# KiCad board LI-ION_Charger.kicad_pcb
title: LI-ION charger; date: 2021-06-16; rev: V1.1.1.; company: SOLDERED; note: 333013
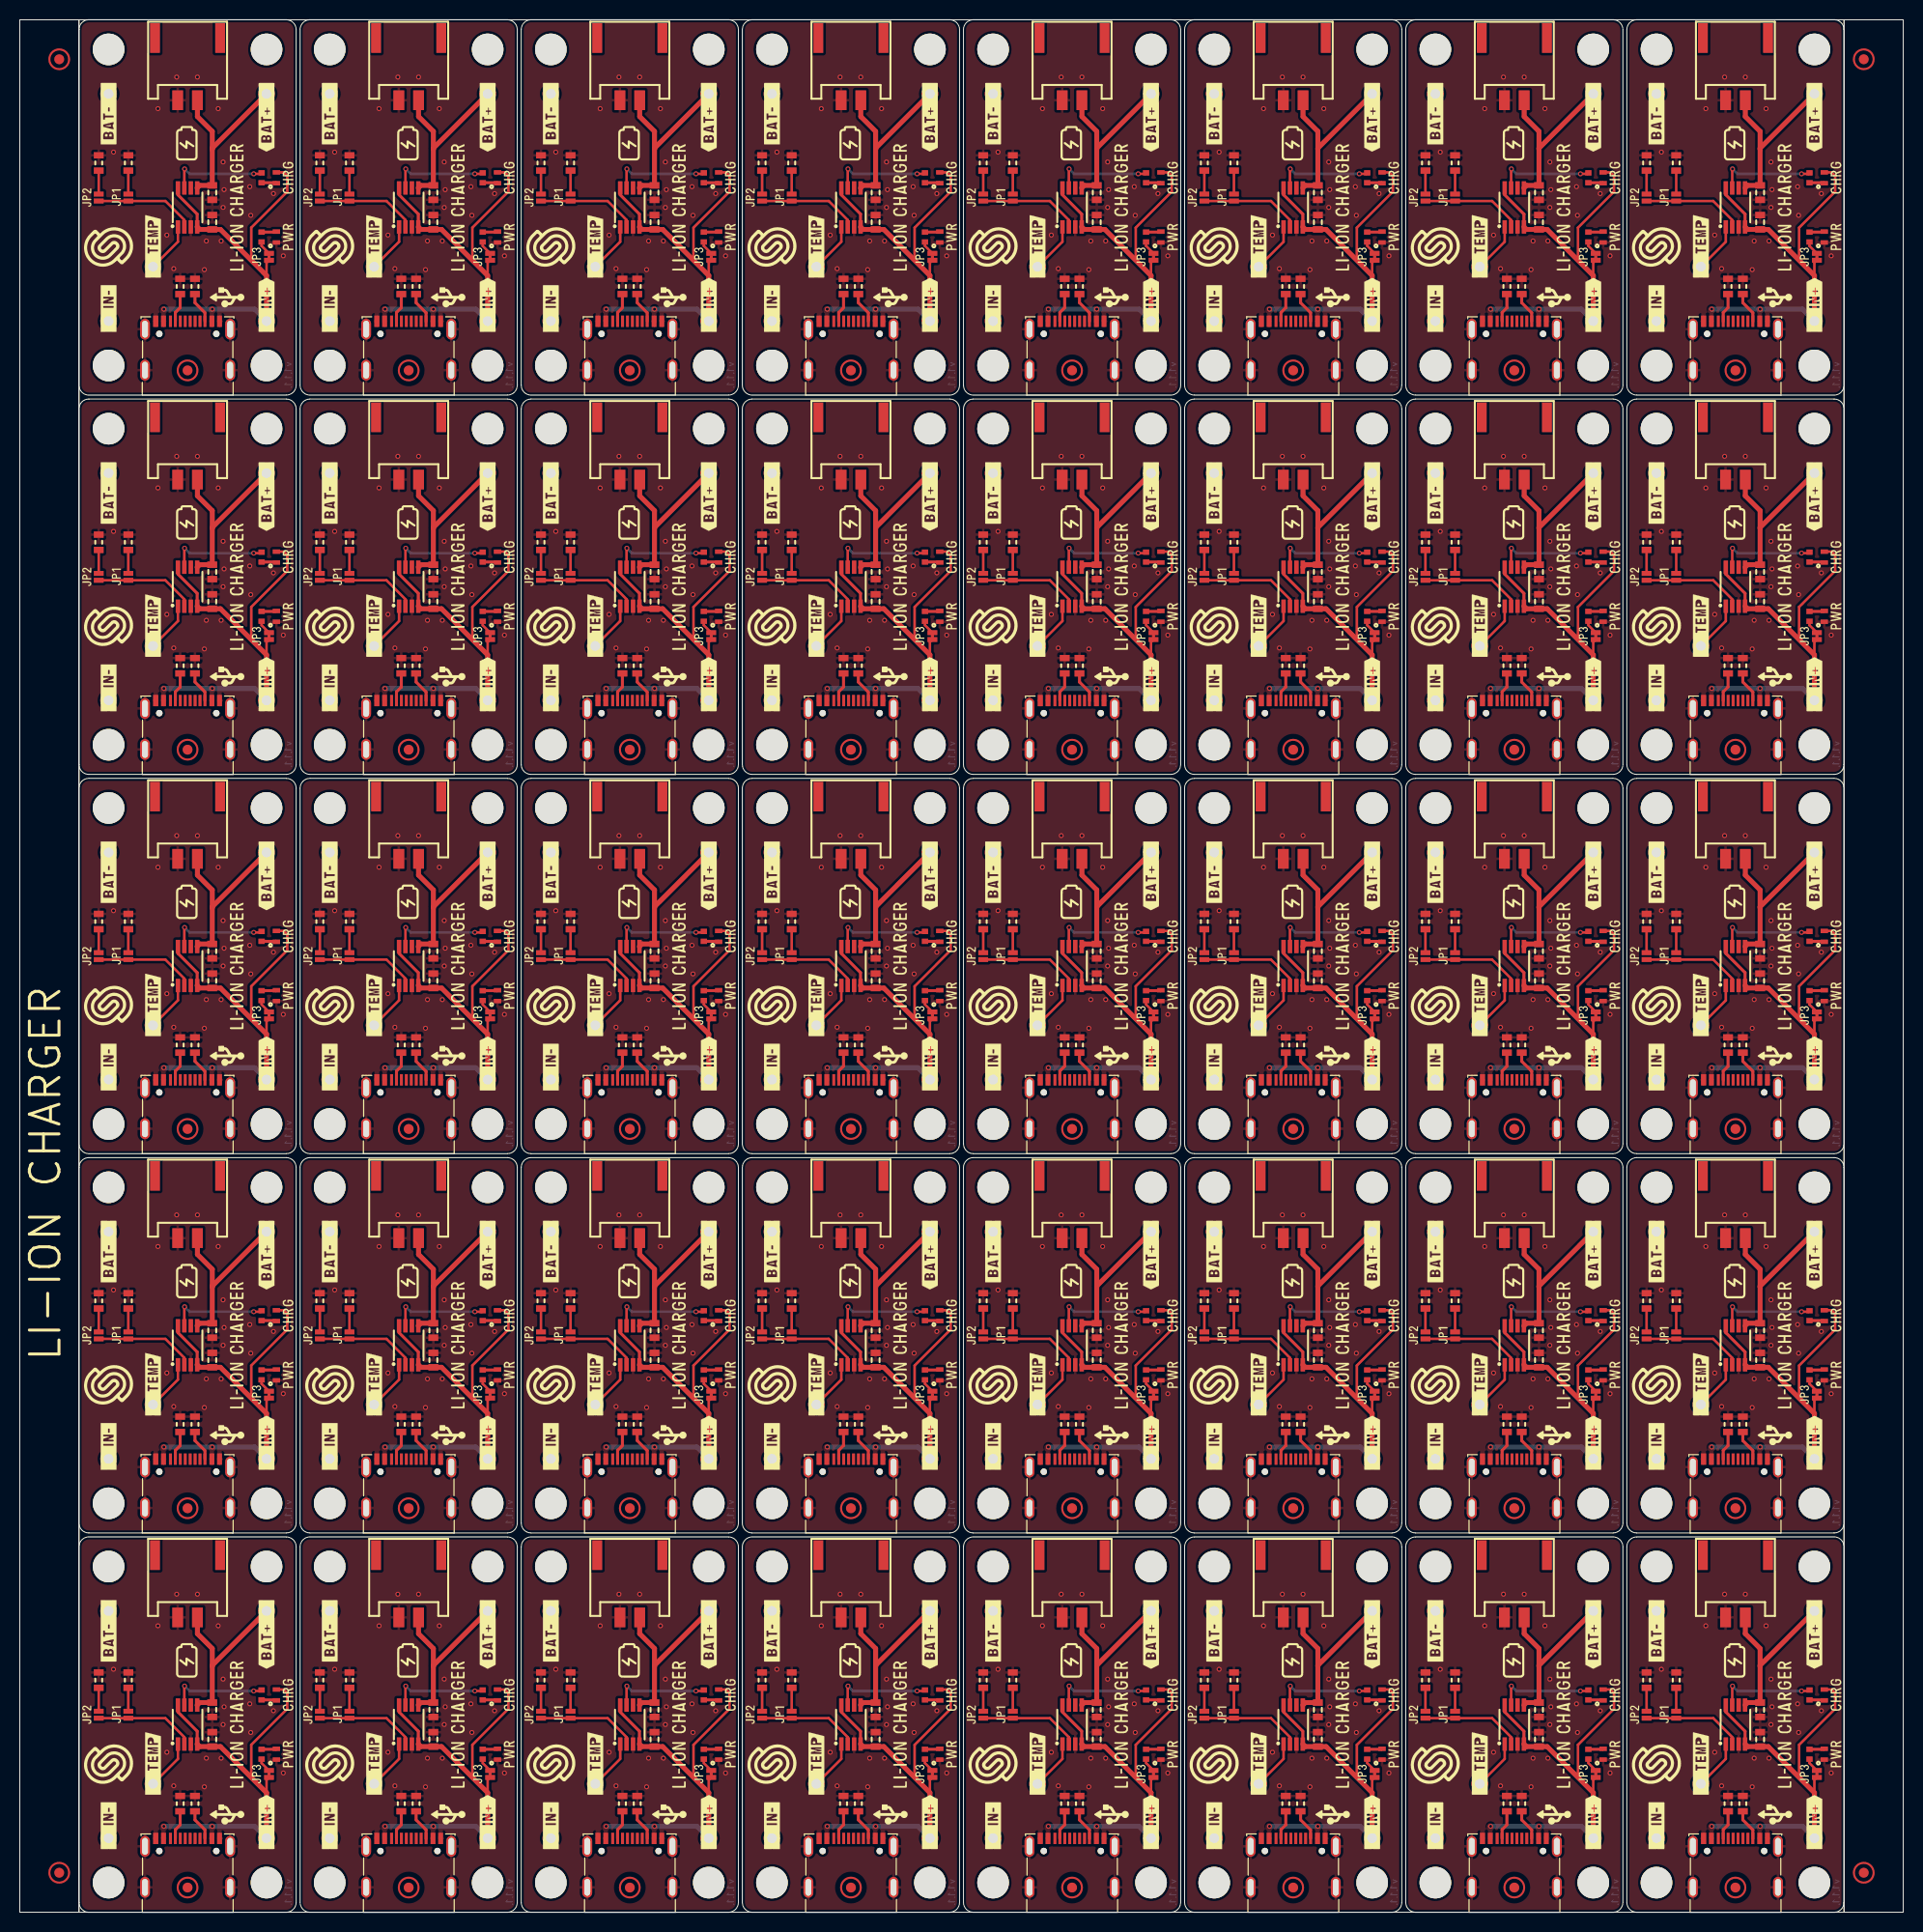
[diagram p0: board, top side]
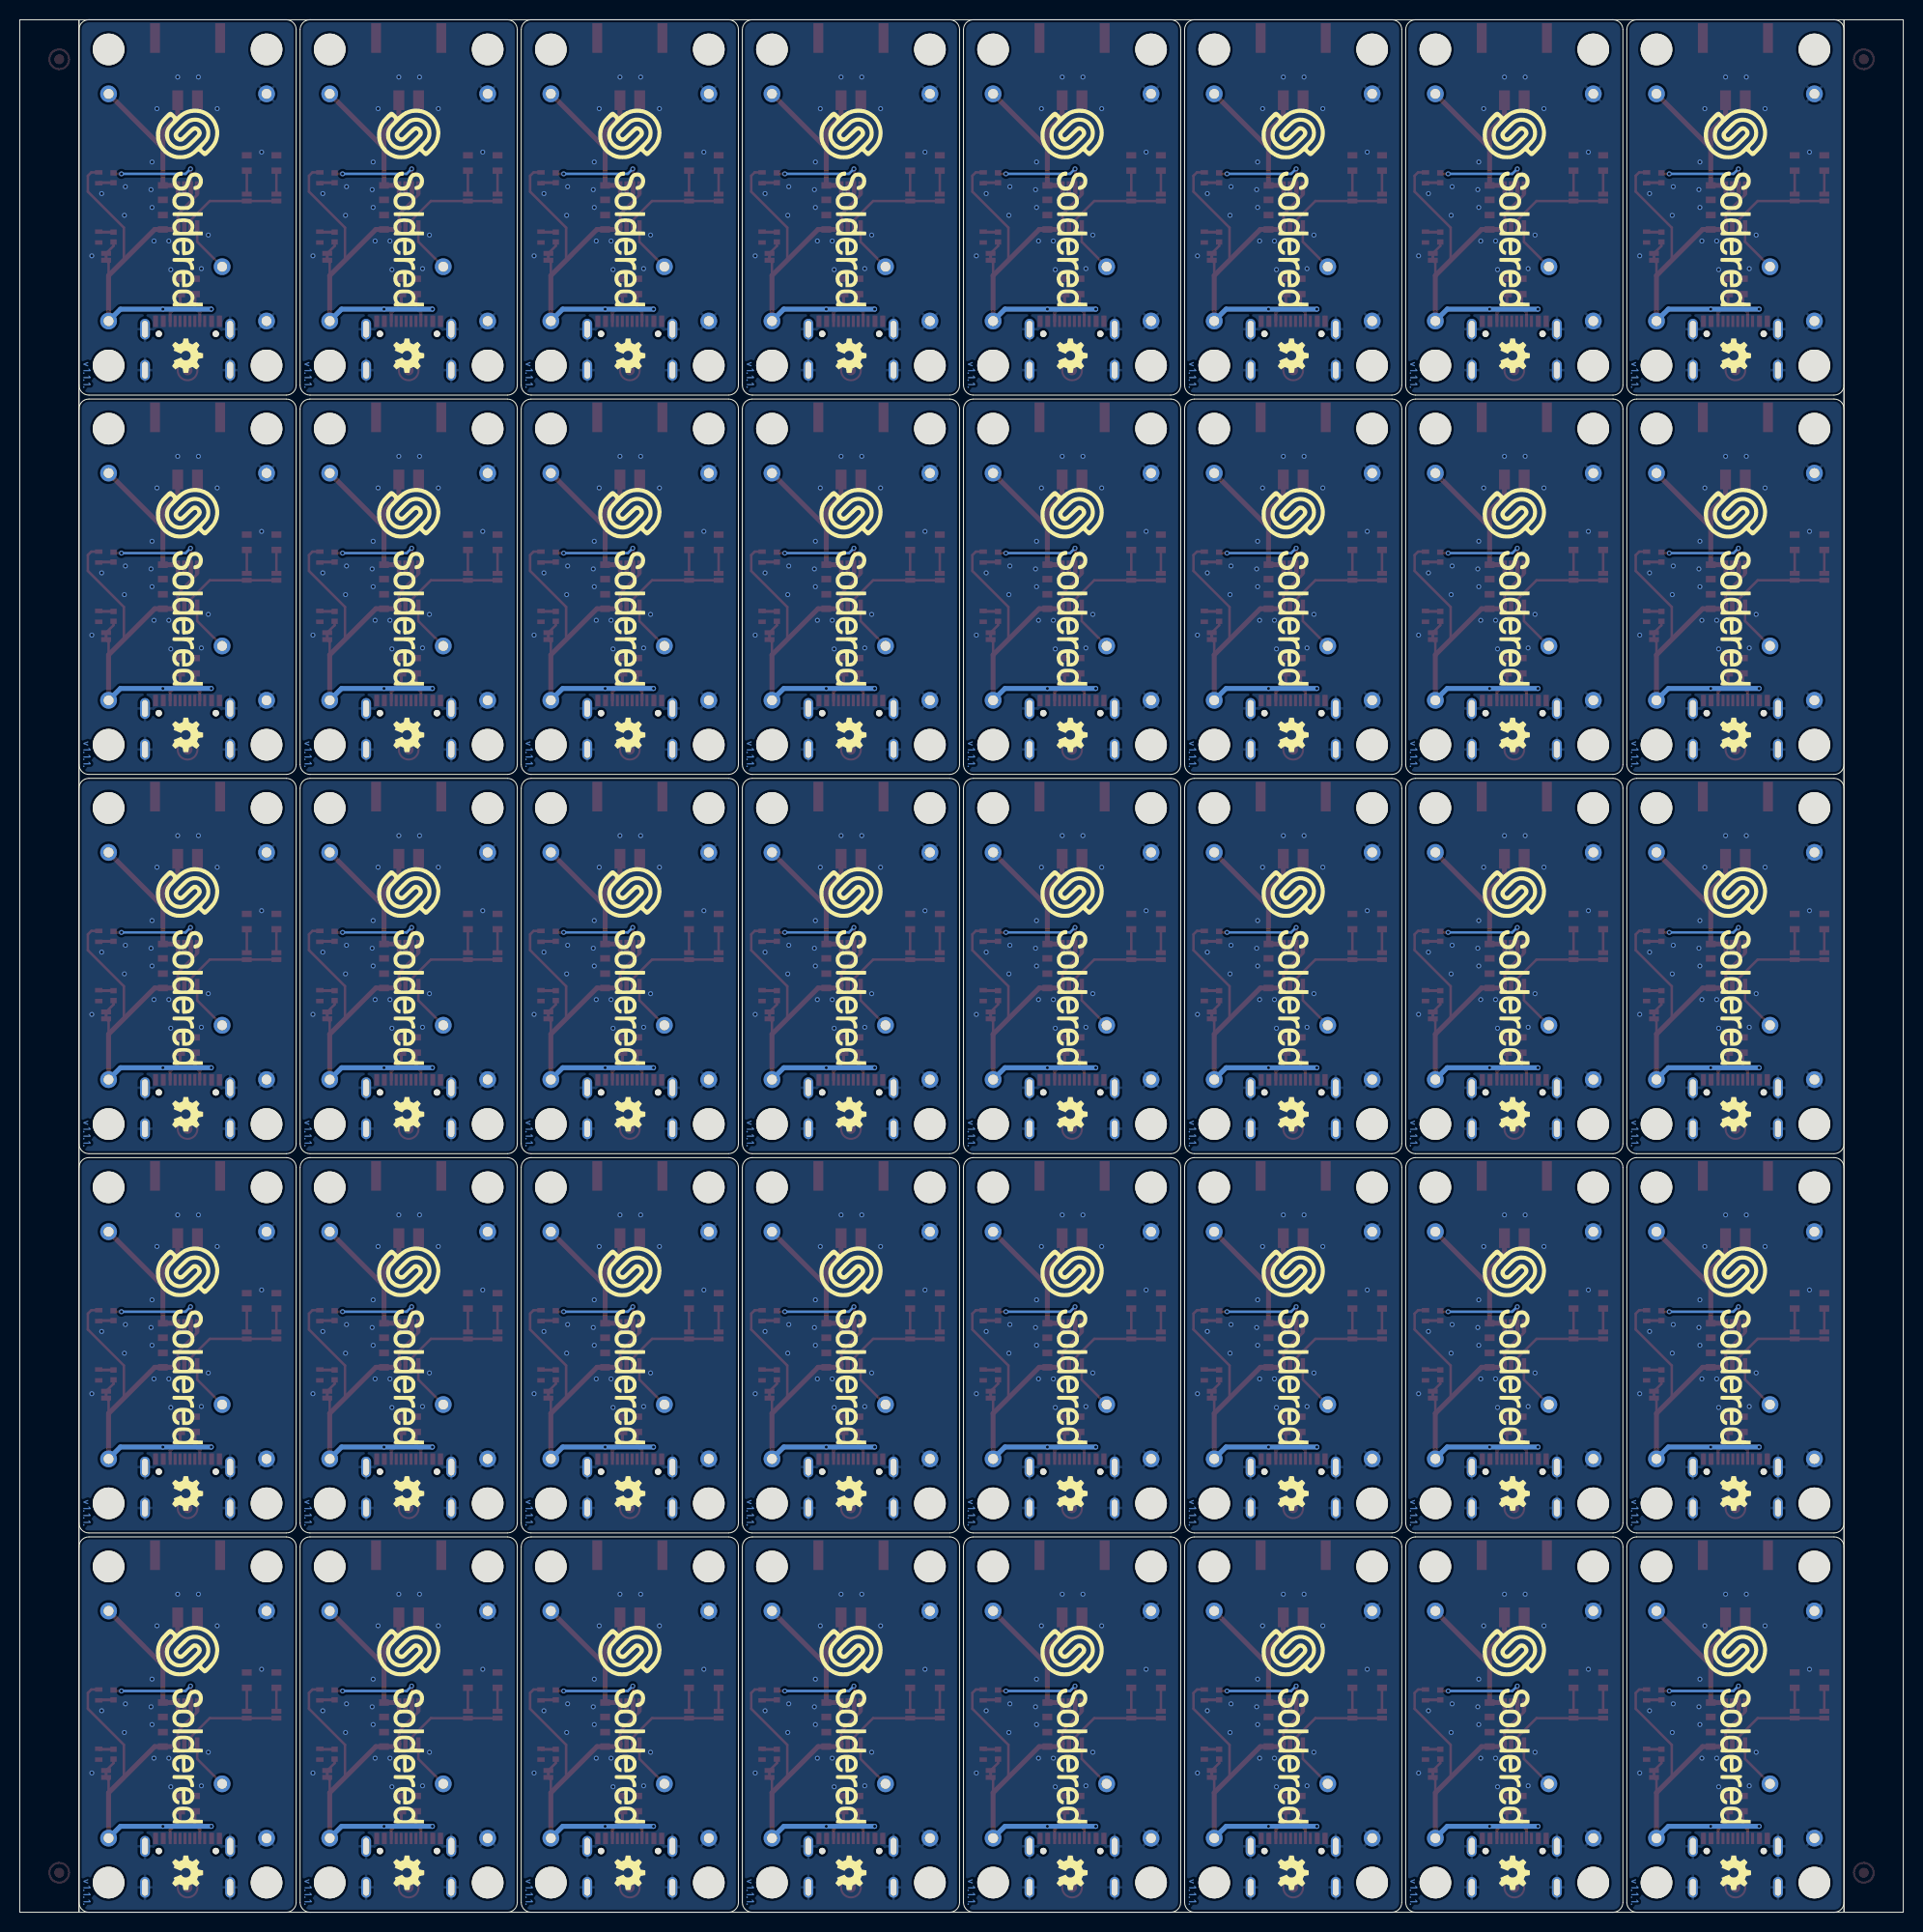
[diagram p1: board, bottom side, seen from below]

Outline 190.8 x 191.6 mm; copper layers: Top, Bottom. Coordinates in mm from the lower left corner of the outline.
Outline path: rectangle 0,191.6 6,0 ; rectangle 6,191.6 184.8,0 ; rectangle 184.8,191.6 190.8,0 ; 6,190.6 arc(6.29,191.31) 7,191.6 27,191.6 arc(27.71,191.31) 28,190.6 28,154.6 arc(27.71,153.89) 27,153.6 7,153.6 arc(6.29,153.89) 6,154.6 6,190.6 ; 6,152.2 arc(6.29,152.91) 7,153.2 27,153.2 arc(27.71,152.91) 28,152.2 28,116.2 arc(27.71,115.49) 27,115.2 7,115.2 arc(6.29,115.49) 6,116.2 6,152.2 ; 6,113.8 arc(6.29,114.51) 7,114.8 27,114.8 arc(27.71,114.51) 28,113.8 28,77.8 arc(27.71,77.09) 27,76.8 7,76.8 arc(6.29,77.09) 6,77.8 6,113.8 ; 6,75.4 arc(6.29,76.11) 7,76.4 27,76.4 arc(27.71,76.11) 28,75.4 28,39.4 arc(27.71,38.69) 27,38.4 7,38.4 arc(6.29,38.69) 6,39.4 6,75.4 ; 6,37 arc(6.29,37.71) 7,38 27,38 arc(27.71,37.71) 28,37 28,1 arc(27.71,0.29) 27,0 7,0 arc(6.29,0.29) 6,1 6,37 ; 28.4,190.6 arc(28.69,191.31) 29.4,191.6 49.4,191.6 arc(50.11,191.31) 50.4,190.6 50.4,154.6 arc(50.11,153.89) 49.4,153.6 29.4,153.6 arc(28.69,153.89) 28.4,154.6 28.4,190.6 ; 28.4,152.2 arc(28.69,152.91) 29.4,153.2 49.4,153.2 arc(50.11,152.91) 50.4,152.2 50.4,116.2 arc(50.11,115.49) 49.4,115.2 29.4,115.2 arc(28.69,115.49) 28.4,116.2 28.4,152.2 ; 28.4,113.8 arc(28.69,114.51) 29.4,114.8 49.4,114.8 arc(50.11,114.51) 50.4,113.8 50.4,77.8 arc(50.11,77.09) 49.4,76.8 29.4,76.8 arc(28.69,77.09) 28.4,77.8 28.4,113.8 ; 28.4,75.4 arc(28.69,76.11) 29.4,76.4 49.4,76.4 arc(50.11,76.11) 50.4,75.4 50.4,39.4 arc(50.11,38.69) 49.4,38.4 29.4,38.4 arc(28.69,38.69) 28.4,39.4 28.4,75.4 ; 28.4,37 arc(28.69,37.71) 29.4,38 49.4,38 arc(50.11,37.71) 50.4,37 50.4,1 arc(50.11,0.29) 49.4,0 29.4,0 arc(28.69,0.29) 28.4,1 28.4,37 ; 50.8,190.6 arc(51.09,191.31) 51.8,191.6 71.8,191.6 arc(72.51,191.31) 72.8,190.6 72.8,154.6 arc(72.51,153.89) 71.8,153.6 51.8,153.6 arc(51.09,153.89) 50.8,154.6 50.8,190.6 ; 50.8,152.2 arc(51.09,152.91) 51.8,153.2 71.8,153.2 arc(72.51,152.91) 72.8,152.2 72.8,116.2 arc(72.51,115.49) 71.8,115.2 51.8,115.2 arc(51.09,115.49) 50.8,116.2 50.8,152.2 ; 50.8,113.8 arc(51.09,114.51) 51.8,114.8 71.8,114.8 arc(72.51,114.51) 72.8,113.8 72.8,77.8 arc(72.51,77.09) 71.8,76.8 51.8,76.8 arc(51.09,77.09) 50.8,77.8 50.8,113.8 ; 50.8,75.4 arc(51.09,76.11) 51.8,76.4 71.8,76.4 arc(72.51,76.11) 72.8,75.4 72.8,39.4 arc(72.51,38.69) 71.8,38.4 51.8,38.4 arc(51.09,38.69) 50.8,39.4 50.8,75.4 ; 50.8,37 arc(51.09,37.71) 51.8,38 71.8,38 arc(72.51,37.71) 72.8,37 72.8,1 arc(72.51,0.29) 71.8,0 51.8,0 arc(51.09,0.29) 50.8,1 50.8,37 ; 73.2,190.6 arc(73.49,191.31) 74.2,191.6 94.2,191.6 arc(94.91,191.31) 95.2,190.6 95.2,154.6 arc(94.91,153.89) 94.2,153.6 74.2,153.6 arc(73.49,153.89) 73.2,154.6 73.2,190.6 ; 73.2,152.2 arc(73.49,152.91) 74.2,153.2 94.2,153.2 arc(94.91,152.91) 95.2,152.2 95.2,116.2 arc(94.91,115.49) 94.2,115.2 74.2,115.2 arc(73.49,115.49) 73.2,116.2 73.2,152.2 ; 73.2,113.8 arc(73.49,114.51) 74.2,114.8 94.2,114.8 arc(94.91,114.51) 95.2,113.8 95.2,77.8 arc(94.91,77.09) 94.2,76.8 74.2,76.8 arc(73.49,77.09) 73.2,77.8 73.2,113.8 ; 73.2,75.4 arc(73.49,76.11) 74.2,76.4 94.2,76.4 arc(94.91,76.11) 95.2,75.4 95.2,39.4 arc(94.91,38.69) 94.2,38.4 74.2,38.4 arc(73.49,38.69) 73.2,39.4 73.2,75.4 ; 73.2,37 arc(73.49,37.71) 74.2,38 94.2,38 arc(94.91,37.71) 95.2,37 95.2,1 arc(94.91,0.29) 94.2,0 74.2,0 arc(73.49,0.29) 73.2,1 73.2,37 ; 95.6,190.6 arc(95.89,191.31) 96.6,191.6 116.6,191.6 arc(117.31,191.31) 117.6,190.6 117.6,154.6 arc(117.31,153.89) 116.6,153.6 96.6,153.6 arc(95.89,153.89) 95.6,154.6 95.6,190.6 ; 95.6,152.2 arc(95.89,152.91) 96.6,153.2 116.6,153.2 arc(117.31,152.91) 117.6,152.2 117.6,116.2 arc(117.31,115.49) 116.6,115.2 96.6,115.2 arc(95.89,115.49) 95.6,116.2 95.6,152.2 ; 95.6,113.8 arc(95.89,114.51) 96.6,114.8 116.6,114.8 arc(117.31,114.51) 117.6,113.8 117.6,77.8 arc(117.31,77.09) 116.6,76.8 96.6,76.8 arc(95.89,77.09) 95.6,77.8 95.6,113.8 ; 95.6,75.4 arc(95.89,76.11) 96.6,76.4 116.6,76.4 arc(117.31,76.11) 117.6,75.4 117.6,39.4 arc(117.31,38.69) 116.6,38.4 96.6,38.4 arc(95.89,38.69) 95.6,39.4 95.6,75.4 ; 95.6,37 arc(95.89,37.71) 96.6,38 116.6,38 arc(117.31,37.71) 117.6,37 117.6,1 arc(117.31,0.29) 116.6,0 96.6,0 arc(95.89,0.29) 95.6,1 95.6,37 ; 118,190.6 arc(118.29,191.31) 119,191.6 139,191.6 arc(139.71,191.31) 140,190.6 140,154.6 arc(139.71,153.89) 139,153.6 119,153.6 arc(118.29,153.89) 118,154.6 118,190.6 ; 118,152.2 arc(118.29,152.91) 119,153.2 139,153.2 arc(139.71,152.91) 140,152.2 140,116.2 arc(139.71,115.49) 139,115.2 119,115.2 arc(118.29,115.49) 118,116.2 118,152.2 ; 118,113.8 arc(118.29,114.51) 119,114.8 139,114.8 arc(139.71,114.51) 140,113.8 140,77.8 arc(139.71,77.09) 139,76.8 119,76.8 arc(118.29,77.09) 118,77.8 118,113.8 ; 118,75.4 arc(118.29,76.11) 119,76.4 139,76.4 arc(139.71,76.11) 140,75.4 140,39.4 arc(139.71,38.69) 139,38.4 119,38.4 arc(118.29,38.69) 118,39.4 118,75.4 ; 118,37 arc(118.29,37.71) 119,38 139,38 arc(139.71,37.71) 140,37 140,1 arc(139.71,0.29) 139,0 119,0 arc(118.29,0.29) 118,1 118,37 ; 140.4,190.6 arc(140.69,191.31) 141.4,191.6 161.4,191.6 arc(162.11,191.31) 162.4,190.6 162.4,154.6 arc(162.11,153.89) 161.4,153.6 141.4,153.6 arc(140.69,153.89) 140.4,154.6 140.4,190.6 ; 140.4,152.2 arc(140.69,152.91) 141.4,153.2 161.4,153.2 arc(162.11,152.91) 162.4,152.2 162.4,116.2 arc(162.11,115.49) 161.4,115.2 141.4,115.2 arc(140.69,115.49) 140.4,116.2 140.4,152.2 ; 140.4,113.8 arc(140.69,114.51) 141.4,114.8 161.4,114.8 arc(162.11,114.51) 162.4,113.8 162.4,77.8 arc(162.11,77.09) 161.4,76.8 141.4,76.8 arc(140.69,77.09) 140.4,77.8 140.4,113.8 ; 140.4,75.4 arc(140.69,76.11) 141.4,76.4 161.4,76.4 arc(162.11,76.11) 162.4,75.4 162.4,39.4 arc(162.11,38.69) 161.4,38.4 141.4,38.4 arc(140.69,38.69) 140.4,39.4 140.4,75.4 ; 140.4,37 arc(140.69,37.71) 141.4,38 161.4,38 arc(162.11,37.71) 162.4,37 162.4,1 arc(162.11,0.29) 161.4,0 141.4,0 arc(140.69,0.29) 140.4,1 140.4,37 ; 162.8,190.6 arc(163.09,191.31) 163.8,191.6 183.8,191.6 arc(184.51,191.31) 184.8,190.6 184.8,154.6 arc(184.51,153.89) 183.8,153.6 163.8,153.6 arc(163.09,153.89) 162.8,154.6 162.8,190.6 ; 162.8,152.2 arc(163.09,152.91) 163.8,153.2 183.8,153.2 arc(184.51,152.91) 184.8,152.2 184.8,116.2 arc(184.51,115.49) 183.8,115.2 163.8,115.2 arc(163.09,115.49) 162.8,116.2 162.8,152.2 ; 162.8,113.8 arc(163.09,114.51) 163.8,114.8 183.8,114.8 arc(184.51,114.51) 184.8,113.8 184.8,77.8 arc(184.51,77.09) 183.8,76.8 163.8,76.8 arc(163.09,77.09) 162.8,77.8 162.8,113.8 ; 162.8,75.4 arc(163.09,76.11) 163.8,76.4 183.8,76.4 arc(184.51,76.11) 184.8,75.4 184.8,39.4 arc(184.51,38.69) 183.8,38.4 163.8,38.4 arc(163.09,38.69) 162.8,39.4 162.8,75.4 ; 162.8,37 arc(163.09,37.71) 163.8,38 183.8,38 arc(184.51,37.71) 184.8,37 184.8,1 arc(184.51,0.29) 183.8,0 163.8,0 arc(163.09,0.29) 162.8,1 162.8,37
Stack: Top 0.035mm / dielectric 1.51mm FR4 er 4.5 / Bottom 0.035mm

## Placement (name value [footprint] x y rotation side)
C1  2.2uF  [0603C]  176.3 94.3 270 top
C1#2  2.2uF  [0603C]  86.7 132.7 270 top
C1#3  2.2uF  [0603C]  153.9 94.3 270 top
C1#4  2.2uF  [0603C]  131.5 171.1 270 top
C1#5  2.2uF  [0603C]  86.7 94.3 270 top
C1#6  2.2uF  [0603C]  64.3 55.9 270 top
C1#7  2.2uF  [0603C]  64.3 132.7 270 top
C1#8  2.2uF  [0603C]  176.3 17.5 270 top
C1#9  2.2uF  [0603C]  41.9 171.1 270 top
C1#10  2.2uF  [0603C]  131.5 55.9 270 top
C1#11  2.2uF  [0603C]  109.1 55.9 270 top
C1#12  2.2uF  [0603C]  131.5 17.5 270 top
C1#13  2.2uF  [0603C]  41.9 94.3 270 top
C1#14  2.2uF  [0603C]  176.3 55.9 270 top
C1#15  2.2uF  [0603C]  19.5 132.7 270 top
C1#16  2.2uF  [0603C]  64.3 171.1 270 top
C1#17  2.2uF  [0603C]  86.7 55.9 270 top
C1#18  2.2uF  [0603C]  19.5 55.9 270 top
C1#19  2.2uF  [0603C]  131.5 132.7 270 top
C1#20  2.2uF  [0603C]  109.1 132.7 270 top
C1#21  2.2uF  [0603C]  109.1 171.1 270 top
C1#22  2.2uF  [0603C]  19.5 17.5 270 top
C1#23  2.2uF  [0603C]  64.3 17.5 270 top
C1#24  2.2uF  [0603C]  109.1 94.3 270 top
C1#25  2.2uF  [0603C]  109.1 17.5 270 top
C1#26  2.2uF  [0603C]  153.9 55.9 270 top
C1#27  2.2uF  [0603C]  19.5 94.3 270 top
C1#28  2.2uF  [0603C]  176.3 171.1 270 top
C1#29  2.2uF  [0603C]  131.5 94.3 270 top
C1#30  2.2uF  [0603C]  176.3 132.7 270 top
C1#31  2.2uF  [0603C]  153.9 132.7 270 top
C1#32  2.2uF  [0603C]  153.9 171.1 270 top
C1#33  2.2uF  [0603C]  86.7 171.1 270 top
C1#34  2.2uF  [0603C]  41.9 17.5 270 top
C1#35  2.2uF  [0603C]  64.3 94.3 270 top
C1#36  2.2uF  [0603C]  153.9 17.5 270 top
C1#37  2.2uF  [0603C]  41.9 55.9 270 top
C1#38  2.2uF  [0603C]  41.9 132.7 270 top
C1#39  2.2uF  [0603C]  19.5 171.1 270 top
C1#40  2.2uF  [0603C]  86.7 17.5 270 top
C2  2.2uF  [0603C]  64.3 174.1 90 top
C2#2  2.2uF  [0603C]  176.3 174.1 90 top
C2#3  2.2uF  [0603C]  153.9 20.5 90 top
C2#4  2.2uF  [0603C]  41.9 97.3 90 top
C2#5  2.2uF  [0603C]  109.1 135.7 90 top
C2#6  2.2uF  [0603C]  109.1 97.3 90 top
C2#7  2.2uF  [0603C]  153.9 97.3 90 top
C2#8  2.2uF  [0603C]  64.3 135.7 90 top
C2#9  2.2uF  [0603C]  64.3 97.3 90 top
C2#10  2.2uF  [0603C]  86.7 97.3 90 top
C2#11  2.2uF  [0603C]  41.9 135.7 90 top
C2#12  2.2uF  [0603C]  86.7 174.1 90 top
C2#13  2.2uF  [0603C]  19.5 58.9 90 top
C2#14  2.2uF  [0603C]  109.1 174.1 90 top
C2#15  2.2uF  [0603C]  131.5 58.9 90 top
C2#16  2.2uF  [0603C]  41.9 20.5 90 top
C2#17  2.2uF  [0603C]  19.5 97.3 90 top
C2#18  2.2uF  [0603C]  131.5 97.3 90 top
C2#19  2.2uF  [0603C]  131.5 174.1 90 top
C2#20  2.2uF  [0603C]  176.3 97.3 90 top
C2#21  2.2uF  [0603C]  64.3 20.5 90 top
C2#22  2.2uF  [0603C]  19.5 20.5 90 top
C2#23  2.2uF  [0603C]  19.5 174.1 90 top
C2#24  2.2uF  [0603C]  41.9 174.1 90 top
C2#25  2.2uF  [0603C]  176.3 20.5 90 top
C2#26  2.2uF  [0603C]  153.9 58.9 90 top
C2#27  2.2uF  [0603C]  153.9 135.7 90 top
C2#28  2.2uF  [0603C]  86.7 135.7 90 top
C2#29  2.2uF  [0603C]  41.9 58.9 90 top
C2#30  2.2uF  [0603C]  153.9 174.1 90 top
C2#31  2.2uF  [0603C]  131.5 20.5 90 top
C2#32  2.2uF  [0603C]  86.7 20.5 90 top
C2#33  2.2uF  [0603C]  64.3 58.9 90 top
C2#34  2.2uF  [0603C]  176.3 135.7 90 top
C2#35  2.2uF  [0603C]  131.5 135.7 90 top
C2#36  2.2uF  [0603C]  19.5 135.7 90 top
C2#37  2.2uF  [0603C]  109.1 58.9 90 top
C2#38  2.2uF  [0603C]  86.7 58.9 90 top
C2#39  2.2uF  [0603C]  109.1 20.5 90 top
C2#40  2.2uF  [0603C]  176.3 58.9 90 top
D1  red  [0402LED]  160.4 137.2 270 top
D1#2  red  [0402LED]  26 22 270 top
D1#3  red  [0402LED]  160.4 175.6 270 top
D1#4  red  [0402LED]  93.2 60.4 270 top
D1#5  red  [0402LED]  160.4 98.8 270 top
D1#6  red  [0402LED]  26 98.8 270 top
D1#7  red  [0402LED]  26 60.4 270 top
D1#8  red  [0402LED]  93.2 22 270 top
D1#9  red  [0402LED]  48.4 98.8 270 top
D1#10  red  [0402LED]  182.8 137.2 270 top
D1#11  red  [0402LED]  93.2 98.8 270 top
D1#12  red  [0402LED]  182.8 22 270 top
D1#13  red  [0402LED]  48.4 137.2 270 top
D1#14  red  [0402LED]  93.2 137.2 270 top
D1#15  red  [0402LED]  182.8 175.6 270 top
D1#16  red  [0402LED]  48.4 22 270 top
D1#17  red  [0402LED]  26 175.6 270 top
D1#18  red  [0402LED]  70.8 137.2 270 top
D1#19  red  [0402LED]  115.6 60.4 270 top
D1#20  red  [0402LED]  182.8 98.8 270 top
D1#21  red  [0402LED]  138 22 270 top
D1#22  red  [0402LED]  115.6 22 270 top
D1#23  red  [0402LED]  138 137.2 270 top
D1#24  red  [0402LED]  115.6 175.6 270 top
D1#25  red  [0402LED]  115.6 137.2 270 top
D1#26  red  [0402LED]  138 60.4 270 top
D1#27  red  [0402LED]  48.4 175.6 270 top
D1#28  red  [0402LED]  70.8 60.4 270 top
D1#29  red  [0402LED]  182.8 60.4 270 top
D1#30  red  [0402LED]  26 137.2 270 top
D1#31  red  [0402LED]  70.8 22 270 top
D1#32  red  [0402LED]  70.8 98.8 270 top
D1#33  red  [0402LED]  115.6 98.8 270 top
D1#34  red  [0402LED]  138 98.8 270 top
D1#35  red  [0402LED]  160.4 22 270 top
D1#36  red  [0402LED]  48.4 60.4 270 top
D1#37  red  [0402LED]  138 175.6 270 top
D1#38  red  [0402LED]  93.2 175.6 270 top
D1#39  red  [0402LED]  160.4 60.4 270 top
D1#40  red  [0402LED]  70.8 175.6 270 top
D2  purple  [0402LED]  48.4 54.4 270 top
D2#2  purple  [0402LED]  160.4 54.4 270 top
D2#3  purple  [0402LED]  115.6 92.8 270 top
D2#4  purple  [0402LED]  48.4 131.2 270 top
D2#5  purple  [0402LED]  115.6 131.2 270 top
D2#6  purple  [0402LED]  138 16 270 top
D2#7  purple  [0402LED]  93.2 54.4 270 top
D2#8  purple  [0402LED]  160.4 169.6 270 top
D2#9  purple  [0402LED]  70.8 54.4 270 top
D2#10  purple  [0402LED]  26 16 270 top
D2#11  purple  [0402LED]  93.2 131.2 270 top
D2#12  purple  [0402LED]  160.4 92.8 270 top
D2#13  purple  [0402LED]  26 169.6 270 top
D2#14  purple  [0402LED]  93.2 92.8 270 top
D2#15  purple  [0402LED]  93.2 16 270 top
D2#16  purple  [0402LED]  138 54.4 270 top
D2#17  purple  [0402LED]  182.8 131.2 270 top
D2#18  purple  [0402LED]  70.8 92.8 270 top
D2#19  purple  [0402LED]  182.8 92.8 270 top
D2#20  purple  [0402LED]  70.8 169.6 270 top
D2#21  purple  [0402LED]  160.4 16 270 top
D2#22  purple  [0402LED]  93.2 169.6 270 top
D2#23  purple  [0402LED]  160.4 131.2 270 top
D2#24  purple  [0402LED]  48.4 169.6 270 top
D2#25  purple  [0402LED]  182.8 54.4 270 top
D2#26  purple  [0402LED]  48.4 16 270 top
D2#27  purple  [0402LED]  115.6 54.4 270 top
D2#28  purple  [0402LED]  115.6 169.6 270 top
D2#29  purple  [0402LED]  138 131.2 270 top
D2#30  purple  [0402LED]  138 92.8 270 top
D2#31  purple  [0402LED]  138 169.6 270 top
D2#32  purple  [0402LED]  48.4 92.8 270 top
D2#33  purple  [0402LED]  26 92.8 270 top
D2#34  purple  [0402LED]  182.8 16 270 top
D2#35  purple  [0402LED]  70.8 16 270 top
D2#36  purple  [0402LED]  115.6 16 270 top
D2#37  purple  [0402LED]  182.8 169.6 270 top
D2#38  purple  [0402LED]  26 54.4 270 top
D2#39  purple  [0402LED]  26 131.2 270 top
D2#40  purple  [0402LED]  70.8 131.2 270 top
FD1  FIDUCIAL  [FIDUCIAL_23]  173.8 40.9 0 top
FD1#2  FIDUCIAL  [FIDUCIAL_23]  61.8 117.7 0 top
FD1#3  FIDUCIAL  [FIDUCIAL_23]  61.8 2.5 0 top
FD1#4  FIDUCIAL  [FIDUCIAL_23]  173.8 2.5 0 top
FD1#5  FIDUCIAL  [FIDUCIAL_23]  17 79.3 0 top
FD1#6  FIDUCIAL  [FIDUCIAL_23]  39.4 156.1 0 top
FD1#7  FIDUCIAL  [FIDUCIAL_23]  39.4 79.3 0 top
FD1#8  FIDUCIAL  [FIDUCIAL_23]  84.2 79.3 0 top
FD1#9  FIDUCIAL  [FIDUCIAL_23]  17 40.9 0 top
FD1#10  FIDUCIAL  [FIDUCIAL_23]  106.6 117.7 0 top
FD1#11  FIDUCIAL  [FIDUCIAL_23]  106.6 79.3 0 top
FD1#12  FIDUCIAL  [FIDUCIAL_23]  61.8 40.9 0 top
FD1#13  FIDUCIAL  [FIDUCIAL_23]  129 2.5 0 top
FD1#14  FIDUCIAL  [FIDUCIAL_23]  173.8 117.7 0 top
FD1#15  FIDUCIAL  [FIDUCIAL_23]  151.4 156.1 0 top
FD1#16  FIDUCIAL  [FIDUCIAL_23]  84.2 117.7 0 top
FD1#17  FIDUCIAL  [FIDUCIAL_23]  173.8 79.3 0 top
FD1#18  FIDUCIAL  [FIDUCIAL_23]  61.8 79.3 0 top
FD1#19  FIDUCIAL  [FIDUCIAL_23]  84.2 2.5 0 top
FD1#20  FIDUCIAL  [FIDUCIAL_23]  151.4 79.3 0 top
FD1#21  FIDUCIAL  [FIDUCIAL_23]  17 117.7 0 top
FD1#22  FIDUCIAL  [FIDUCIAL_23]  129 117.7 0 top
FD1#23  FIDUCIAL  [FIDUCIAL_23]  173.8 156.1 0 top
FD1#24  FIDUCIAL  [FIDUCIAL_23]  106.6 156.1 0 top
FD1#25  FIDUCIAL  [FIDUCIAL_23]  151.4 2.5 0 top
FD1#26  FIDUCIAL  [FIDUCIAL_23]  39.4 2.5 0 top
FD1#27  FIDUCIAL  [FIDUCIAL_23]  151.4 117.7 0 top
FD1#28  FIDUCIAL  [FIDUCIAL_23]  39.4 117.7 0 top
FD1#29  FIDUCIAL  [FIDUCIAL_23]  129 156.1 0 top
FD1#30  FIDUCIAL  [FIDUCIAL_23]  186.8 4 0 top
FD1#31  FIDUCIAL  [FIDUCIAL_23]  4 187.6 0 top
FD1#32  FIDUCIAL  [FIDUCIAL_23]  4 4 0 top
FD1#33  FIDUCIAL  [FIDUCIAL_23]  186.8 187.6 0 top
FD1#34  FIDUCIAL  [FIDUCIAL_23]  84.2 40.9 0 top
FD1#35  FIDUCIAL  [FIDUCIAL_23]  17 2.5 0 top
FD1#36  FIDUCIAL  [FIDUCIAL_23]  151.4 40.9 0 top
FD1#37  FIDUCIAL  [FIDUCIAL_23]  39.4 40.9 0 top
FD1#38  FIDUCIAL  [FIDUCIAL_23]  17 156.1 0 top
FD1#39  FIDUCIAL  [FIDUCIAL_23]  106.6 40.9 0 top
FD1#40  FIDUCIAL  [FIDUCIAL_23]  129 79.3 0 top
FD1#41  FIDUCIAL  [FIDUCIAL_23]  129 40.9 0 top
FD1#42  FIDUCIAL  [FIDUCIAL_23]  84.2 156.1 0 top
FD1#43  FIDUCIAL  [FIDUCIAL_23]  61.8 156.1 0 top
FD1#44  FIDUCIAL  [FIDUCIAL_23]  106.6 2.5 0 top
G***  LOGO  [Logo-Back-OSH-3.5mm]  129 80.8 90 top
G***#2  LOGO  [Logo-Front-Soldered-5mm]  143.4 130.2 90 top
G***#3  LOGO  [Logo-Back-OSH-3.5mm]  173.8 80.8 90 top
G***#4  LOGO  [Symbol-Front-USB]  43.4 125.1 90 top
G***#5  LOGO  [Logo-Back-OSH-3.5mm]  84.2 80.8 90 top
G***#6  LOGO  [Logo-Back-OSH-3.5mm]  17 4 90 top
G***#7  LOGO  [Logo-Front-Soldered-5mm]  53.8 130.2 90 top
G***#8  LOGO  [Logo-Back-OSH-3.5mm]  106.6 4 90 top
G***#9  LOGO  [Logo-Back-OSH-3.5mm]  84.2 119.2 90 top
G***#10  LOGO  [Logo-Back-OSH-3.5mm]  106.6 42.4 90 top
G***#11  LOGO  [Symbol-Front-USB]  110.6 86.7 90 top
G***#12  LOGO  [Symbol-Front-USB]  43.4 9.9 90 top
G***#13  LOGO  [Symbol-Front-Battery]  61.8 102.3 90 top
G***#14  LOGO  [Logo-Front-Soldered-5mm]  143.4 15 90 top
G***#15  LOGO  [Symbol-Front-Battery]  39.4 140.7 90 top
G***#16  LOGO  [Symbol-Front-USB]  88.2 163.5 90 top
G***#17  LOGO  [Symbol-Front-USB]  43.4 86.7 90 top
G***#18  LOGO  [Logo-Front-Soldered-5mm]  31.4 53.4 90 top
G***#19  LOGO  [Symbol-Front-Battery]  61.8 63.9 90 top
G***#20  LOGO  [Logo-Back-OSH-3.5mm]  151.4 4 90 top
G***#21  LOGO  [Symbol-Front-Battery]  17 179.1 90 top
G***#22  LOGO  [Symbol-Front-USB]  155.4 163.5 90 top
G***#23  LOGO  [Logo-Back-OSH-3.5mm]  61.8 157.6 90 top
G***#24  LOGO  [Symbol-Front-Battery]  129 25.5 90 top
G***#25  LOGO  [Logo-Back-OSH-3.5mm]  39.4 157.6 90 top
G***#26  LOGO  [Logo-Front-Soldered-5mm]  9 91.8 90 top
G***#27  LOGO  [Logo-Front-Soldered-5mm]  76.2 168.6 90 top
G***#28  LOGO  [Symbol-Front-USB]  88.2 125.1 90 top
G***#29  LOGO  [Logo-Back-OSH-3.5mm]  129 119.2 90 top
G***#30  LOGO  [Logo-Back-OSH-3.5mm]  61.8 42.4 90 top
G***#31  LOGO  [Symbol-Front-Battery]  106.6 179.1 90 top
G***#32  LOGO  [Symbol-Front-USB]  21 125.1 90 top
G***#33  LOGO  [Logo-Front-Soldered-5mm]  31.4 168.6 90 top
G***#34  LOGO  [Logo-Back-OSH-3.5mm]  39.4 4 90 top
G***#35  LOGO  [Symbol-Front-USB]  21 9.9 90 top
G***#36  LOGO  [Logo-Back-OSH-3.5mm]  173.8 42.4 90 top
G***#37  LOGO  [Symbol-Front-USB]  177.8 9.9 90 top
G***#38  LOGO  [Symbol-Front-USB]  155.4 48.3 90 top
G***#39  LOGO  [Symbol-Front-Battery]  151.4 179.1 90 top
G***#40  LOGO  [Symbol-Front-USB]  110.6 163.5 90 top
G***#41  LOGO  [Logo-Back-OSH-3.5mm]  17 42.4 90 top
G***#42  LOGO  [Symbol-Front-USB]  133 163.5 90 top
G***#43  LOGO  [Logo-Front-Soldered-5mm]  143.4 91.8 90 top
G***#44  LOGO  [Logo-Front-Soldered-5mm]  76.2 91.8 90 top
G***#45  LOGO  [Logo-Back-OSH-3.5mm]  39.4 119.2 90 top
G***#46  LOGO  [Symbol-Front-Battery]  84.2 102.3 90 top
G***#47  LOGO  [Symbol-Front-Battery]  129 140.7 90 top
G***#48  LOGO  [Symbol-Front-Battery]  151.4 25.5 90 top
G***#49  LOGO  [Symbol-Front-Battery]  173.8 179.1 90 top
G***#50  LOGO  [Symbol-Front-USB]  133 9.9 90 top
G***#51  LOGO  [Logo-Back-OSH-3.5mm]  151.4 157.6 90 top
G***#52  LOGO  [Symbol-Front-USB]  21 163.5 90 top
G***#53  LOGO  [Logo-Back-OSH-3.5mm]  129 42.4 90 top
G***#54  LOGO  [Symbol-Front-USB]  65.8 163.5 90 top
G***#55  LOGO  [Logo-Front-Soldered-5mm]  9 130.2 90 top
G***#56  LOGO  [Symbol-Front-Battery]  84.2 140.7 90 top
G***#57  LOGO  [Symbol-Front-USB]  43.4 48.3 90 top
G***#58  LOGO  [Logo-Back-OSH-3.5mm]  106.6 80.8 90 top
G***#59  LOGO  [Logo-Front-Soldered-5mm]  31.4 130.2 90 top
G***#60  LOGO  [Symbol-Front-Battery]  61.8 140.7 90 top
G***#61  LOGO  [Symbol-Front-USB]  21 86.7 90 top
G***#62  LOGO  [Logo-Back-OSH-3.5mm]  173.8 157.6 90 top
G***#63  LOGO  [Symbol-Front-USB]  155.4 125.1 90 top
G***#64  LOGO  [Logo-Back-OSH-3.5mm]  17 157.6 90 top
G***#65  LOGO  [Symbol-Front-USB]  88.2 9.9 90 top
G***#66  LOGO  [Logo-Front-Soldered-5mm]  165.8 168.6 90 top
G***#67  LOGO  [Symbol-Front-USB]  177.8 125.1 90 top
G***#68  LOGO  [Logo-Front-Soldered-5mm]  165.8 91.8 90 top
G***#69  LOGO  [Logo-Back-OSH-3.5mm]  173.8 119.2 90 top
G***#70  LOGO  [Symbol-Front-USB]  155.4 9.9 90 top
G***#71  LOGO  [Logo-Front-Soldered-5mm]  98.6 168.6 90 top
G***#72  LOGO  [Symbol-Front-Battery]  106.6 25.5 90 top
G***#73  LOGO  [Logo-Back-OSH-3.5mm]  151.4 42.4 90 top
G***#74  LOGO  [Symbol-Front-USB]  133 48.3 90 top
G***#75  LOGO  [Logo-Back-OSH-3.5mm]  106.6 119.2 90 top
G***#76  LOGO  [Symbol-Front-Battery]  151.4 102.3 90 top
G***#77  LOGO  [Symbol-Front-Battery]  61.8 179.1 90 top
G***#78  LOGO  [Symbol-Front-USB]  110.6 9.9 90 top
G***#79  LOGO  [Symbol-Front-USB]  110.6 125.1 90 top
G***#80  LOGO  [Logo-Front-Soldered-5mm]  121 53.4 90 top
G***#81  LOGO  [Logo-Back-OSH-3.5mm]  151.4 119.2 90 top
G***#82  LOGO  [Logo-Front-Soldered-5mm]  53.8 53.4 90 top
G***#83  LOGO  [Symbol-Front-USB]  133 86.7 90 top
G***#84  LOGO  [Logo-Back-OSH-3.5mm]  129 157.6 90 top
G***#85  LOGO  [Logo-Front-Soldered-5mm]  121 91.8 90 top
G***#86  LOGO  [Logo-Back-OSH-3.5mm]  17 119.2 90 top
G***#87  LOGO  [Logo-Back-OSH-3.5mm]  17 80.8 90 top
G***#88  LOGO  [Logo-Back-OSH-3.5mm]  39.4 42.4 90 top
G***#89  LOGO  [Symbol-Front-Battery]  84.2 179.1 90 top
G***#90  LOGO  [Logo-Back-OSH-3.5mm]  84.2 4 90 top
G***#91  LOGO  [Logo-Front-Soldered-5mm]  31.4 91.8 90 top
G***#92  LOGO  [Logo-Back-OSH-3.5mm]  106.6 157.6 90 top
G***#93  LOGO  [Symbol-Front-USB]  65.8 48.3 90 top
G***#94  LOGO  [Logo-Back-OSH-3.5mm]  61.8 119.2 90 top
G***#95  LOGO  [Logo-Front-Soldered-5mm]  98.6 15 90 top
G***#96  LOGO  [Symbol-Front-Battery]  106.6 140.7 90 top
G***#97  LOGO  [Symbol-Front-Battery]  17 63.9 90 top
G***#98  LOGO  [Symbol-Front-Battery]  61.8 25.5 90 top
G***#99  LOGO  [Logo-Back-OSH-3.5mm]  61.8 4 90 top
G***#100  LOGO  [Logo-Back-OSH-3.5mm]  84.2 42.4 90 top
G***#101  LOGO  [Logo-Front-Soldered-5mm]  9 53.4 90 top
G***#102  LOGO  [Symbol-Front-Battery]  173.8 63.9 90 top
G***#103  LOGO  [Logo-Back-OSH-3.5mm]  61.8 80.8 90 top
G***#104  LOGO  [Symbol-Front-USB]  177.8 86.7 90 top
G***#105  LOGO  [Logo-Front-Soldered-5mm]  98.6 53.4 90 top
G***#106  LOGO  [Symbol-Front-Battery]  106.6 102.3 90 top
G***#107  LOGO  [Logo-Back-OSH-3.5mm]  129 4 90 top
G***#108  LOGO  [Logo-Front-Soldered-5mm]  98.6 91.8 90 top
G***#109  LOGO  [Symbol-Front-Battery]  84.2 25.5 90 top
G***#110  LOGO  [Symbol-Front-USB]  177.8 48.3 90 top
G***#111  LOGO  [Logo-Front-Soldered-5mm]  53.8 15 90 top
G***#112  LOGO  [Symbol-Front-USB]  155.4 86.7 90 top
G***#113  LOGO  [Logo-Front-Soldered-5mm]  121 168.6 90 top
G***#114  LOGO  [Symbol-Front-Battery]  17 140.7 90 top
G***#115  LOGO  [Logo-Front-Soldered-5mm]  76.2 53.4 90 top
G***#116  LOGO  [Logo-Back-OSH-3.5mm]  39.4 80.8 90 top
G***#117  LOGO  [Logo-Front-Soldered-5mm]  121 15 90 top
G***#118  LOGO  [Symbol-Front-Battery]  39.4 179.1 90 top
G***#119  LOGO  [Logo-Front-Soldered-5mm]  165.8 15 90 top
G***#120  LOGO  [Logo-Front-Soldered-5mm]  9 15 90 top
G***#121  LOGO  [Symbol-Front-Battery]  129 63.9 90 top
G***#122  LOGO  [Symbol-Front-USB]  110.6 48.3 90 top
G***#123  LOGO  [Logo-Back-OSH-3.5mm]  151.4 80.8 90 top
G***#124  LOGO  [Symbol-Front-Battery]  129 102.3 90 top
G***#125  LOGO  [Symbol-Front-USB]  65.8 9.9 90 top
G***#126  LOGO  [Symbol-Front-Battery]  106.6 63.9 90 top
G***#127  LOGO  [Symbol-Front-Battery]  151.4 63.9 90 top
G***#128  LOGO  [Logo-Front-Soldered-5mm]  165.8 130.2 90 top
G***#129  LOGO  [Symbol-Front-Battery]  129 179.1 90 top
G***#130  LOGO  [Logo-Front-Soldered-5mm]  31.4 15 90 top
G***#131  LOGO  [Logo-Front-Soldered-5mm]  121 130.2 90 top
G***#132  LOGO  [Logo-Front-Soldered-5mm]  98.6 130.2 90 top
G***#133  LOGO  [Symbol-Front-Battery]  17 102.3 90 top
G***#134  LOGO  [Symbol-Front-USB]  43.4 163.5 90 top
G***#135  LOGO  [Logo-Front-Soldered-5mm]  76.2 130.2 90 top
G***#136  LOGO  [Logo-Front-Soldered-5mm]  53.8 91.8 90 top
G***#137  LOGO  [Symbol-Front-Battery]  39.4 25.5 90 top
G***#138  LOGO  [Symbol-Front-Battery]  17 25.5 90 top
G***#139  LOGO  [Logo-Front-Soldered-5mm]  143.4 53.4 90 top
G***#140  LOGO  [Symbol-Front-Battery]  173.8 140.7 90 top
G***#141  LOGO  [Logo-Front-Soldered-5mm]  9 168.6 90 top
G***#142  LOGO  [Logo-Front-Soldered-5mm]  53.8 168.6 90 top
G***#143  LOGO  [Logo-Back-OSH-3.5mm]  173.8 4 90 top
G***#144  LOGO  [Symbol-Front-USB]  133 125.1 90 top
G***#145  LOGO  [Symbol-Front-USB]  21 48.3 90 top
G***#146  LOGO  [Symbol-Front-Battery]  173.8 102.3 90 top
G***#147  LOGO  [Symbol-Front-USB]  177.8 163.5 90 top
G***#148  LOGO  [Symbol-Front-USB]  88.2 86.7 90 top
G***#149  LOGO  [Logo-Front-Soldered-5mm]  165.8 53.4 90 top
G***#150  LOGO  [Symbol-Front-USB]  88.2 48.3 90 top
G***#151  LOGO  [Logo-Front-Soldered-5mm]  76.2 15 90 top
G***#152  LOGO  [Symbol-Front-Battery]  39.4 63.9 90 top
G***#153  LOGO  [Symbol-Front-Battery]  39.4 102.3 90 top
G***#154  LOGO  [Symbol-Front-USB]  65.8 86.7 90 top
G***#155  LOGO  [Symbol-Front-Battery]  151.4 140.7 90 top
G***#156  LOGO  [Symbol-Front-Battery]  84.2 63.9 90 top
G***#157  LOGO  [Symbol-Front-USB]  65.8 125.1 90 top
G***#158  LOGO  [Logo-Back-OSH-3.5mm]  84.2 157.6 90 top
G***#159  LOGO  [Symbol-Front-Battery]  173.8 25.5 90 top
G***#160  LOGO  [Logo-Front-Soldered-5mm]  143.4 168.6 90 top
H1  -  [HOLE_3.2mm]  121 73.4 0 top
H1#2  -  [HOLE_3.2mm]  31.4 188.6 0 top
H1#3  -  [HOLE_3.2mm]  98.6 111.8 0 top
H1#4  -  [HOLE_3.2mm]  98.6 150.2 0 top